# Altium PCB betrusted_dvt1b-dfm.PcbDoc (part 6 of 6)
Units mm, origin at the board's own origin, x right, y up, seen from the top; angles counter-clockwise.
Board outline 62.8 x 53.83 mm, 6 copper layers (L1, L2, L3, L6, L7, L8), stack 0.693 mm thick; 407 components, 299 nets, 1950 pads, 2038 vias.
Unrouted connection lines stored in the file: 1.
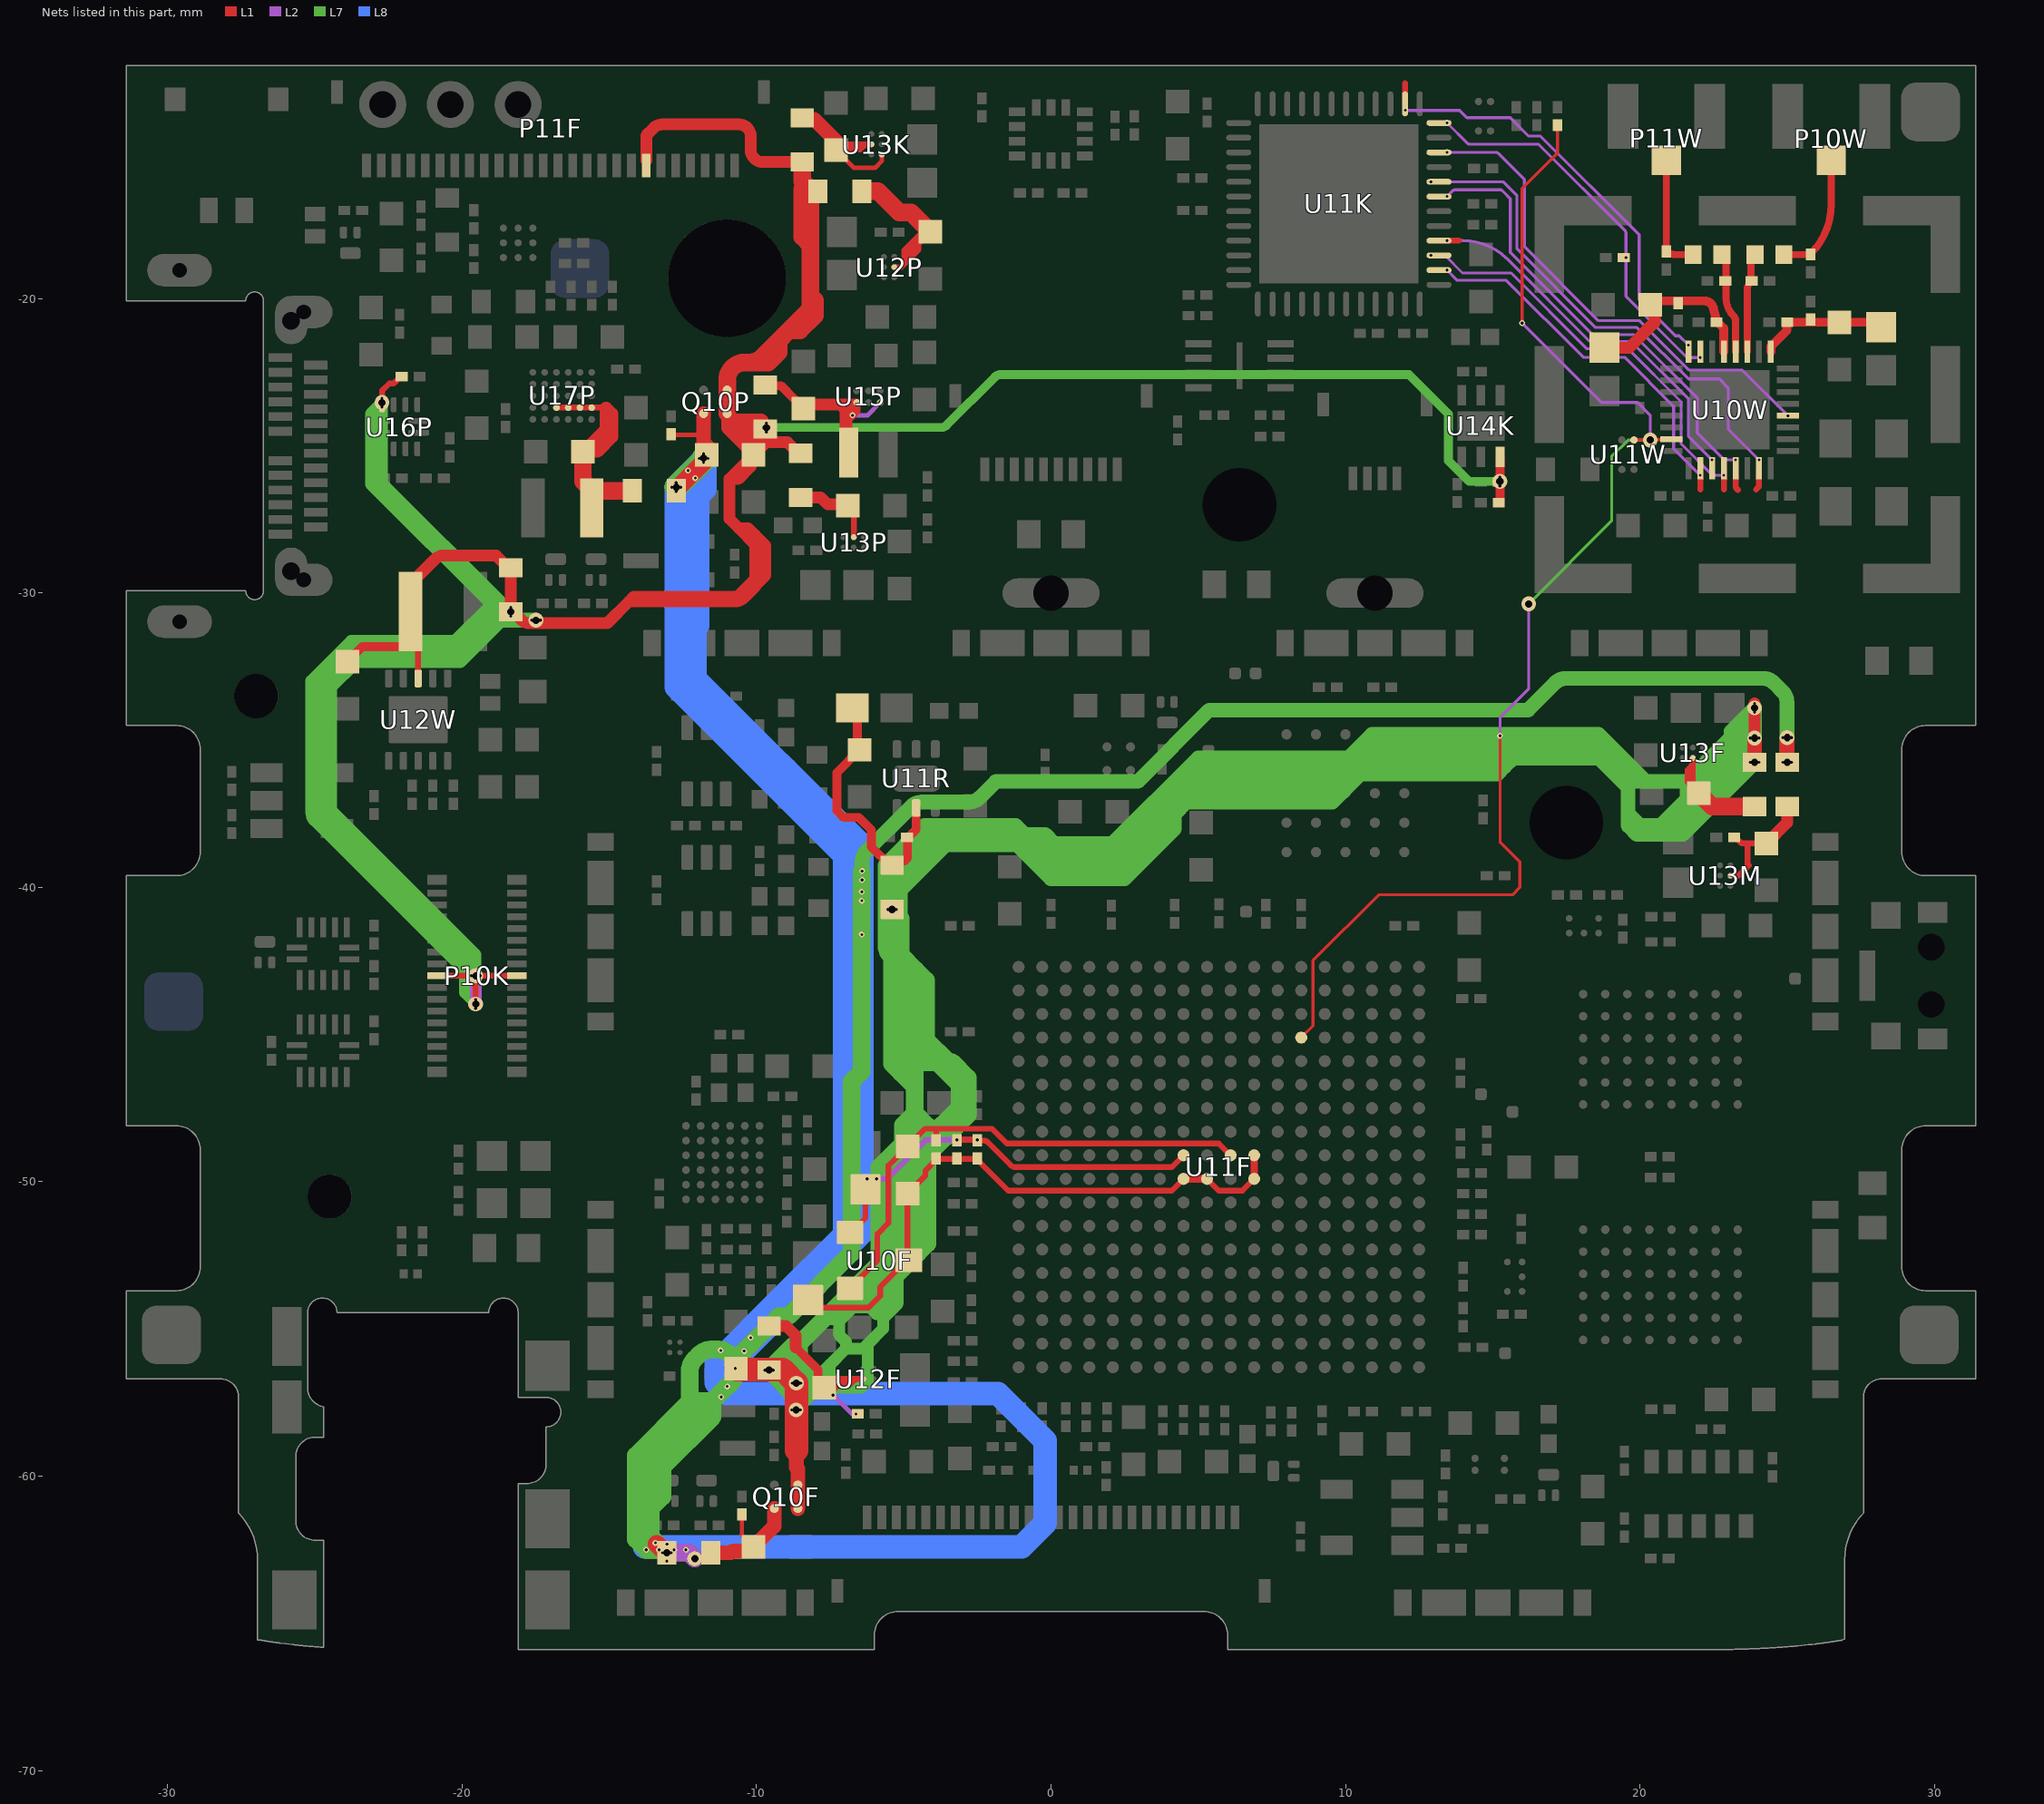
[diagram p10: the nets of this part, all layers, seen from the top]

## Via types
v1: diameter 0.2, hole 0.1, L1 to L2, tented both sides, 1324 vias
v2: diameter 0.5, hole 0.25, L2 to L7, tented both sides, 638 vias
v3: diameter 0.2, hole 0.1, L7 to L8, tented both sides, 44 vias
v4: diameter 0.5, hole 0.25, L1 to L8, 25 vias
v5: diameter 0.5, hole 0.2, L1 to L8, 4 vias
v6: diameter 0.4, hole 0.25, L1 to L8, 2 vias
v7: diameter 0.2, hole 0.1, L1 to L2, tented bottom, 1 vias

## Nets (pads, with @x,y where several pads share a name; then routed paths per layer and width w, separated by ;. In a path a pad name is that pad's centre, name@x,y a point inside that pad or via, vN(x,y) a via of type N, cw(c..) or ccw(c..) an arc to the next point about the centre after c; other vN are vias at no path point) (continued)
VSYS_RAW: C19M.1 C31P.1 C33P.1 C36F.1 J10F.1 J10M.1 J13P.1 L14P.2 Q10F.4 Q10P.4 R10F.2 R14M.1 R24P.2 U13M.B1 U17P.C2 U17P.D2 U17P.E2 U17P.F2 | length 209.2
  L1 w0.15: R24P.2@-12.9,-24.625 -11.879,-24.625 -11.8,-24.546 ; R10F.2@-10.5,-61.325 -10.5,-62 C36F.1@-10.1,-62.4
  L1 w0.2: U17P.C2@-16.8,-23.7 U17P.D2@-16.4,-23.7 U17P.E2@-16,-23.7 U17P.F2@-15.6,-23.7 -15.124,-23.7 ; U13M.B1@23.075,-39.6 23.35,-39.6 23.7,-39.25 23.663,-39.212 23.663,-38.5 ; R14M.1@23.225,-38.3 23.25,-38.3 23.45,-38.5 23.663,-38.5 ; C19M.1@24.3,-38.5 23.663,-38.5
  L1 w0.4: L14P.2@-15.6,-27.1 -15.6,-26.625 L14P.2@-15.6,-26.5 ; C19M.1@24.3,-38.5 25,-37.8 J10M.1@25,-37.25 ; C33P.1@-15.9,-25.2 -15.4,-25.2 -14.9,-24.7 -14.9,-23.9 -15.1,-23.7 -15.124,-23.7 -15.124,-24.424 C33P.1@-15.9,-25.2
  L1 w0.5: Q10P.4@-11.8,-23.9 -11.8,-24.546 -11.8,-24.9 C31P.1@-11.55,-25.15 ; J10F.1@-11.55,-62.6 -10.875,-62.6 -10.825,-62.55 -10.25,-62.55 C36F.1@-10.1,-62.4 -9.4,-61.7 Q10F.4@-9.4,-61.1 ; v2(25,-35.75) v2(25,-34.911)
  L1 w0.6: C33P.1@-15.9,-25.2 -15.9,-26.2 L14P.2@-15.6,-26.5 ; L14P.2@-15.6,-26.625 -15.5,-26.525 J13P.1@-14.225,-26.525 ; v1@-13.4,-62.3 -13.2,-62.5 -13.075,-62.5 -13.05,-62.525 v2(-13.05,-62.6) ; J13P.1@-12.725,-26.525 cw(c-12.182,-26.781) -12.607,-26.357 -11.866,-25.616 ccw(c-12.29,-25.192) C31P.1@-11.7,-25.301
  L2 w0.4: v1(-13.437,-62.267) v1@-13.383,-62.267 ; v2(-13.05,-62.6) v1@-13.383,-62.267 ; v1(-12.9,-62.6) -13.233,-62.267 v1@-13.383,-62.267
  L2 w0.6: v2(-13.05,-62.6) v1(-12.9,-62.6) -12.3,-62.6 v2(-12.1,-62.8)
  L7 w0.5: v3(-6.419,-39.745) v3(-6.419,-39.445) -6.419,-39.126 cw(c-5.919,-39.126) -6.272,-38.772 -4.746,-37.246 cw(c-4.393,-37.6) -4.393,-37.1 -2.782,-37.1 ccw(c-2.782,-36.6) -2.429,-36.954 -1.875,-36.4 2.95,-36.4 5.375,-33.975 16.2,-33.975 17.129,-33.046 cw(c17.482,-33.4) 17.482,-32.9 24.193,-32.9 cw(c24.193,-33.4) 24.547,-33.047 24.853,-33.353 cw(c24.5,-33.707) 25,-33.707 v2(25,-34.911) v2(25,-35.75)
  L7 w0.6: v2(-12.1,-62.8) -12.3,-62.6 v2(-13.05,-62.6) v2@-13.15,-62.5 ; v3@-6.425,-39.45 v3(-6.425,-40.15) v3(-6.425,-40.45) -6.425,-46.25 -6.775,-46.6 -6.775,-52.425 -8.925,-54.575 -9.25,-54.575 v3(-10.426,-55.751) -10.725,-56.05 ; -13.6,-61.1 -13.2,-60.7 -13.2,-59.7 -11.495,-57.995 -11.495,-57.445 ; -13.6,-61.1 -13.6,-59.55 -11.495,-57.445 ; -13.6,-61.1 -13.6,-62.05 v2@-13.15,-62.5 ; v2@-13.15,-62.5 v3(-13.749,-62.5) -14.1,-62.149 -14.1,-59.3 -12.275,-57.475 ; -12.275,-57.475 -12.275,-56.442 cw(c-11.675,-56.442) -12.099,-56.018 -11.957,-55.876 cw(c-11.533,-56.3) -11.533,-55.7 -11.324,-55.7 cw(c-11.324,-56.3) -10.899,-55.876 -10.725,-56.05 ; -12.275,-57.475 -12.245,-57.445 -11.495,-57.445 ; -11.495,-57.445 v3(-11,-56.95) ccw(c-11.325,-56.446) -10.725,-56.444 -10.725,-56.05
  L7 w0.8: v2(-12.731,-26.404) -11.801,-25.474 v2(-11.801,-25.417)
  L8 w0.8: -13.8,-62.4 -1,-62.4 -0.2,-61.6 -0.2,-58.8 -1.8,-57.2 -11,-57.2 ; -11,-57.2 -11.373,-56.827 -11.373,-56.164 -9.2,-53.991 ; -11,-57.2 -11,-56.3 -9.2,-54.5 ; -9.2,-54.5 -9.2,-53.991 ; -9.2,-54.5 -7.009,-52.309 ; -9.2,-53.991 -7.009,-51.8 ; -7.009,-52.309 -7.009,-51.8 ; -7.009,-52.309 -6.422,-51.722 v3@-6.422,-39.496 ; -7.009,-51.8 -7.009,-38.909 ; -7.009,-38.909 v3@-6.422,-39.496 ; -7.009,-38.909 -12.725,-33.193 -12.725,-26.375 -11.753,-25.403 -11.753,-26.453 -12,-26.7 -12,-31.1 -12.1,-31.2 -12.1,-32.9 -6.422,-38.578 v3@-6.422,-39.496
  other v1: -13.052,-62.889 -13.2,-62.6 -13.044,-62.31 24.85,-35.75 25.15,-35.75 24.85,-34.911 25.15,-34.911 -12.731,-26.554 -12.731,-26.254 -11.801,-25.567 -11.801,-25.267
  other v3: -13.315,-62.5 -12.8,-62.5 -12.4,-62.5 -11.201,-57.312 -10.725,-56.338 -11.218,-55.729 -10.2,-55.3 -6.425,-41.6 -12.88,-26.403 -12.58,-26.403 -12.082,-26.09 -12.328,-25.836 -11.95,-25.424 -11.65,-25.424
VSYS_T: C13R.1 C14F.1 C15F.1 C17F.1 C18R.2 J10R.1 J11F.1 J12F.1 L10R.1 Q10F.2 Q10F.3 R12F.2 U11R.2 U12F.B1 U13F.B1 | length 282.2
  L1 w0.2: C15F.1@-7.7,-57.175 -7.689,-57.164 cw(c-7.547,-57.305) -7.547,-57.105 -7.505,-57.105 ccw(c-7.505,-56.905) -7.363,-57.046 -7.226,-56.909 cw(c-7.084,-57.05) -7.085,-56.85 ; C15F.1@-7.7,-57 -7.4,-56.7 -7.225,-56.7 ; C15F.1@-7.5,-56.975 -7.225,-56.7 ; -7.084,-56.85 -6.783,-56.85 -6.633,-56.7 ; U12F.B1@-6.375,-56.7 -6.633,-56.7 ; U13F.B1@21.8,-35.6 21.8,-35.825 ; C17F.1@22,-36.8 C17F.1@21.8,-36.6 ; -7.225,-56.7 -6.633,-56.7 ; C17F.1@21.8,-36.6 21.625,-36.425 21.625,-36 21.8,-35.825 ; C17F.1@21.8,-36.6 21.8,-35.825
  L1 w0.3: -8.675,-55.625 -7.91,-56.39 -7.91,-56.79 C15F.1@-7.7,-57 ; L10R.1@-6.75,-33.9 -6.575,-34.075 C13R.1@-6.575,-35.325 ; C13R.1@-6.5,-35.325 -7.275,-36.1 -7.275,-37.4 -7.149,-37.526 -7.05,-37.625 -6.525,-37.625 -6.1,-38.05 -6.1,-38.625 -5.475,-39.25 J10R.1@-5.4,-39.25 -5.249,-39.099 -4.974,-39.099 -4.875,-39 -4.875,-38.3 -4.85,-38.3 -4.58,-38.03 U11R.2@-4.58,-37.3
  L1 w0.4: J11F.1@-9.575,-54.9 -9,-54.9 -8.675,-55.225 -8.675,-55.625 ; v2(23.9,-34.925) v1(23.9,-34.05) v1(23.9,-33.75)
  L1 w0.5: -8.65,-59.125 -8.65,-59.7 -8.6,-59.75 Q10F.2@-8.6,-60.3 Q10F.3@-8.6,-61.1 ; v2(23.9,-35.75) v2(23.9,-34.925)
  L1 w0.6: C17F.1@22,-36.8 22.45,-37.25 J12F.1@23.9,-37.25
  L1 w0.8: C14F.1@-10.7,-56.35 -10.675,-56.375 -9.119,-56.375 v2(-8.65,-56.844) -8.65,-59.125
  L2 w0.15: v1(-7.4,-57.25) -6.765,-57.885 v1(-6.624,-57.885)
  L7 w0.4: v2@-8.698,-56.796 v2@-8.662,-56.796 ; v2(-8.662,-57.751) -8.096,-57.184 ; -8.452,-56.074 -8.452,-56.088 -7.92,-56.62 ; -7.17,-54.57 -7.2,-54.6 -7.2,-55.2 -6.971,-55.429 -6.971,-55.671 ; -6.263,-54.163 -5.925,-54.5 -5.7,-54.5 ; -6.05,-53.95 -6.05,-54.15 -5.7,-54.5 ; -5.675,-53.575 -5.7,-53.6 -5.7,-54.5 ; v2@-8.662,-56.796 -8.096,-56.796 ; v2@-8.662,-56.796 -8.487,-56.62 -7.92,-56.62 ; -8.096,-57.184 -7.901,-56.99 ; -8.096,-57.184 -8.096,-56.796 ; -8.096,-56.796 -7.901,-56.99 ; -8.096,-56.796 -7.92,-56.62 ; -7.92,-56.62 -7.513,-56.213 ; -7.901,-56.99 -7.513,-56.601 ; -7.901,-56.99 -7.891,-57 -7.114,-57 ; -7.513,-56.601 -7.114,-57 ; -7.513,-56.601 -7.513,-56.213 ; -7.513,-56.213 -6.971,-55.671 ; -7.114,-57 -6.453,-57 -6.218,-56.766 -6.218,-55.508 ; -6.971,-55.671 -6.381,-55.671 -6.218,-55.508 ; -6.218,-55.508 -5.7,-54.99 -5.7,-54.5
  L7 w0.5: -5.572,-40.087 -5.572,-40.578 v2(-5.4,-40.75) -5.4,-40.3 -5.4,-39.875 -4.075,-38.55 ; -5.4,-42.427 -5.49,-42.337 cw(c-5.136,-41.984) -5.636,-41.984 -5.636,-39.736 ; -5.636,-39.736 -5.636,-39.236 -4.3,-37.9 -3.8,-37.9 ; -5.636,-39.736 -3.8,-37.9 ; -4.075,-38.55 -3.725,-38.2 ; -4.075,-38.55 -3.65,-38.55 -2.8,-38.55 ; -3.8,-37.9 -3.425,-37.9 ; -3.725,-38.2 -3.425,-37.9 ; -3.725,-38.2 -2.45,-38.2 ; -3.425,-37.9 -1.2,-37.9 -0.9,-38.2 ; -2.8,-38.55 -1.157,-38.55 ; -2.8,-38.55 -2.45,-38.2 ; -2.45,-38.2 -0.9,-38.2 ; -1.157,-38.55 -0.55,-38.55 0.25,-39.35 ; -1.157,-38.55 -0.007,-39.7 0.6,-39.7 ; -0.9,-38.2 -0.538,-38.2 ; -0.538,-38.2 -0.232,-38.506 ; -0.538,-38.2 -0.2,-38.2 0.106,-38.506 ; -0.232,-38.506 0.25,-38.988 0.25,-39.35 ; -0.232,-38.506 0.106,-38.506 ; 0.106,-38.506 2.094,-38.506 ; 0.106,-38.506 0.5,-38.9 1.7,-38.9 ; 0.25,-39.35 0.6,-39.7 ; 0.25,-39.35 1.7,-39.35 ; 0.6,-39.7 2.5,-39.7 2.85,-39.35 ; 1.7,-39.35 2.35,-39.35 ; 1.7,-39.35 1.7,-38.9 ; 1.7,-38.9 2.2,-38.9 2.594,-38.506 ; 1.7,-38.9 2.094,-38.506 ; 2.094,-38.506 2.594,-38.506 ; 2.094,-38.506 5,-35.6 5.5,-35.6 ; 2.35,-39.35 4.193,-37.507 ; 2.35,-39.35 2.85,-39.35 ; 2.594,-38.506 4.002,-37.098 ; 2.85,-39.35 4.193,-38.007 4.193,-37.507 ; 4.002,-37.098 4.6,-36.5 ; 4.002,-37.098 4.6,-37.098 4.6,-36.5 ; 4.193,-37.507 4.602,-37.098 ; 4.6,-36.5 5.5,-35.6 ; 4.602,-37.098 5.55,-36.15 ; 4.602,-37.098 5.102,-37.098 ; 5.102,-37.098 9.555,-37.098 10.03,-36.624 ; 5.102,-37.098 5.576,-36.624 ; 5.5,-35.6 6.1,-35.6 ; 5.55,-36.15 6.1,-35.6 ; 5.55,-36.15 6.05,-36.15 ; 5.576,-36.624 6.05,-36.15 ; 5.576,-36.624 10.03,-36.624 ; 6.05,-36.15 10.504,-36.15 ; 6.05,-36.15 6.3,-35.9 10.754,-35.9 ; 6.1,-35.6 10.101,-35.6 ; 10.03,-36.624 10.504,-36.15 ; 10.101,-35.6 10.6,-35.6 ; 10.101,-35.6 10.901,-34.8 11.4,-34.8 ; 10.504,-36.15 15.15,-36.15 15.4,-35.9 ; 10.504,-36.15 10.754,-35.9 ; 10.6,-35.6 11.054,-35.6 ; 10.6,-35.6 11,-35.2 ; 10.754,-35.9 15.4,-35.9 ; 10.754,-35.9 11.054,-35.6 ; 11,-35.2 11.4,-34.8 ; 11,-35.2 16.1,-35.2 ; 11.054,-35.6 15.7,-35.6 ; 11.4,-34.8 18.6,-34.8 19,-35.2 ; 15.4,-35.9 15.7,-35.6 ; 15.7,-35.6 18.6,-35.6 ; 15.7,-35.6 16.1,-35.2 ; 16.1,-35.2 18.2,-35.2 ; 18.2,-35.2 18.625,-35.2 ; 18.2,-35.2 18.6,-35.6 ; 18.6,-35.6 19.025,-35.6 ; 18.6,-35.6 19.6,-36.6 19.6,-37.5 ; 18.625,-35.2 19,-35.2 ; 18.625,-35.2 19.025,-35.6 ; 19,-35.2 20.2,-36.4 ; 19.025,-35.6 19.825,-36.4 20.2,-36.4 ; 19.6,-37.5 19.6,-37.9 19.9,-38.2 21.038,-38.2 ; 19.6,-37.5 20,-37.9 20.7,-37.9 21.297,-37.303 ; 20.2,-36.4 21.6,-36.4 ; 21.038,-38.2 21.45,-38.2 23.25,-36.4 ; 21.038,-38.2 21.935,-37.303 ; 21.297,-37.303 21.6,-37 ; 21.297,-37.303 21.935,-37.303 ; 21.6,-37 21.825,-37 22.425,-36.4 ; 21.6,-37 21.6,-36.4 ; 21.6,-36.4 22.425,-36.4 ; 21.6,-36.4 22,-36 ; 21.935,-37.303 22.838,-36.4 ; 22,-36 23.1,-34.9 ; 22,-36 22.5,-36 ; 22.425,-36.4 22.838,-36.4 ; 22.5,-36 23,-36 23.5,-35.5 23.5,-35.325 ; 22.5,-36 23.1,-35.4 23.1,-34.9 ; 22.838,-36.4 23.25,-36.4 ; 23.1,-34.9 23.5,-34.5 ; 23.1,-34.9 23.1,-34.7 23.5,-34.3 ; 23.25,-36.4 v2(23.9,-35.75) v2(23.9,-34.925) ; 23.5,-35.325 23.5,-34.5 ; 23.5,-35.325 v2(23.9,-34.925) ; 23.5,-34.5 23.5,-34.3 ; 23.5,-34.3 v2(23.9,-33.9) v2(23.9,-34.925)
  L7 w0.6: v2(-8.662,-57.751) -8.662,-57.313 v2(-9.575,-56.4) ; v2(-8.65,-56.844) -8.662,-56.831 v2@-8.698,-56.796 ; -5.7,-54.5 -5.3,-54.1 -5.3,-53.2 ; -5.7,-53.6 -6.05,-53.95 -6.263,-54.163 -6.763,-54.163 ; -5.675,-53.575 -5.3,-53.2 ; -5.4,-40.3 -5.162,-40.062 ; -5.162,-41.125 -5.162,-40.988 ; -3.65,-38.55 -5.162,-40.062 ; v2(-9.575,-56.4) -9.378,-56.4 -9.094,-56.4 ; v2(-9.575,-56.4) -9.219,-56.044 -9.094,-56.044 -9.094,-56.4 ; -9.094,-56.4 v2@-8.698,-56.796 ; v2@-8.698,-56.796 -8.698,-55.648 -7.62,-54.57 ; -7.62,-54.57 -5.825,-52.775 ; -7.62,-54.57 -7.17,-54.57 -6.763,-54.163 ; -6.763,-54.163 -5.3,-52.7 ; -5.825,-52.775 -5.3,-52.25 ; -5.825,-52.775 -5.825,-50.25 ; -5.825,-50.25 -5.825,-49.5 -5.025,-48.7 ; -5.825,-50.25 -5.225,-49.65 ; -5.4,-42.9 -5.4,-42.427 v2(-5.4,-40.75) -5.162,-40.988 ; -5.4,-42.9 -5.4,-45.991 -5.1,-46.291 ; -5.4,-42.9 -5.1,-43.2 ; -5.3,-53.2 -4.75,-52.65 ; -5.3,-53.2 -5.3,-52.7 ; -5.3,-52.7 -5.3,-52.25 ; -5.3,-52.25 -5.3,-50.2 -4.75,-49.65 ; -5.225,-49.65 -4.625,-49.05 -4.625,-48.4 ; -5.225,-49.65 -5.225,-49.3 -5.025,-49.1 -5.025,-48.7 ; -5.162,-40.988 -5.162,-40.062 ; -5.162,-40.988 -5.1,-41.05 -5.1,-42.3 ; -5.1,-46.291 -4.625,-46.766 ; -5.1,-46.291 -5.1,-43.2 ; -5.1,-43.2 -5.1,-42.3 ; -5.1,-43.2 -4.625,-43.675 ; -5.1,-42.3 -4.6,-42.8 ; -5.025,-48.7 -4.725,-48.4 -4.625,-48.4 ; -5.025,-48.7 -5.025,-48.075 -4.625,-47.675 ; -4.75,-52.65 -4.2,-52.1 -4.2,-49.1 ; -4.75,-52.65 -4.75,-49.65 ; -4.75,-49.65 -4.2,-49.1 ; -4.625,-48.4 -4.625,-47.675 ; -4.625,-47.675 -4.625,-46.766 ; -4.625,-47.675 -4.2,-48.1 -4.2,-48.568 ; -4.625,-46.766 -4.625,-45.971 ; -4.625,-45.971 -4.625,-45.175 ; -4.625,-45.971 -4.592,-45.938 -3.862,-45.938 ; -4.625,-45.175 -4.625,-44.8 ; -4.625,-45.175 -4.244,-45.556 ; -4.625,-44.8 -4.625,-43.675 ; -4.625,-44.8 -4.244,-45.181 ; -4.625,-43.675 -4.6,-43.65 -4.6,-42.8 ; -4.6,-42.8 -4.244,-43.156 -4.244,-45.181 ; -4.244,-45.556 -4.244,-45.181 ; -4.244,-45.556 -3.862,-45.938 ; -4.244,-45.181 -3.487,-45.938 ; -4.2,-49.1 -3.1,-48 ; -4.2,-49.1 -4.2,-48.568 ; -4.2,-48.568 -3.1,-47.468 ; -3.862,-45.938 -3.487,-45.938 ; -3.862,-45.938 -3.1,-46.7 -3.1,-47.468 ; -3.487,-45.938 -3.362,-45.938 -2.834,-46.466 -2.834,-47.734 -3.1,-48 ; -3.1,-48 -3.1,-47.468
  L7 w0.8: v2@-9.378,-56.46 -9.378,-56.4 -9.378,-56.328 -9.27,-56.22 ; -9.27,-56.25 -9.27,-56.22 ; -8.698,-55.648 -9.094,-56.044 -9.27,-56.22 ; -8.662,-57.313 -8.662,-56.831 -8.662,-56.796 -8.662,-55.684
  other v1: -8.812,-57.751 -8.512,-57.751 -8.8,-56.844 -8.5,-56.844 -9.725,-56.4 -9.425,-56.4 -5.55,-40.75 -5.25,-40.75 23.75,-35.75 24.05,-35.75 23.75,-34.925 24.05,-34.925
VSYS_U: C19P.1 C21K.1 C23P.1 C24K.1 C25P.1 C27W.1 C30P.1 C36P.1 J10K.1 J10W.1 J12P.1 J14P.1 J15P.1 L13P.1 L14W.1 P10K.8 P10K.23 P11F.20 Q10P.2 Q10P.3 R17K.1 U12P.B1 U12W.8 U13K.B1 U13K.C2 U13P.B1 U14K.6 U15P.A1 U15P.C1 U16P.12 | length 207.7
  L1 w0.15: C21K.1@-7.3,-14.95 -6.7,-15.55 -5.975,-15.55 -5.75,-15.325 U13K.C2@-5.75,-15.1
  L1 w0.2: U16P.12@-22.725,-23.6 v1(-22.725,-23.376) -22.725,-23.125 -22.475,-22.875 -22.325,-22.875 -22.1,-22.65 C36P.1@-22.075,-22.65 ; L14W.1@-21.975,-31.7 -21.75,-31.475 L14W.1@-21.75,-30.625 -21.496,-30.879 U12W.8@-21.496,-32.9 ; P10K.23@-20.855,-43 v1(-19.692,-43) v2(-19.542,-43) ; v1(-19.542,-44.108) v1(-19.542,-43.808) v2(-19.542,-43) ; P10K.8@-18.145,-43 v1(-19.392,-43) v2(-19.542,-43) ; C21K.1@-7.3,-14.95 C21K.1@-7.275,-14.925 ; C23P.1@-6.9,-27.025 -6.7,-27.225 U13P.B1@-6.7,-28.1 ; U13K.B1@-6.1,-14.75 -6.302,-14.75 ; U12P.B1@-5.325,-18.925 -5.1,-18.925 -4.98,-18.805 ; C19P.1@-4.42,-17.809 -4.434,-17.809 -4.98,-18.355 -4.98,-18.58 ; C19P.1@-4.1,-17.725 -4.5,-18.125 ; C24K.1@15.238,-26.213 C24K.1@15.25,-26.2 ; C21K.1@-7.275,-14.925 -7.1,-14.75 -6.302,-14.75 ; C21K.1@-7.275,-14.925 -6.477,-14.925 -6.302,-14.75 ; -4.98,-18.805 -4.5,-18.325 -4.5,-18.125 ; -4.98,-18.805 -4.98,-18.58 ; -4.98,-18.58 -4.708,-18.308 -4.683,-18.308 -4.5,-18.125
  L1 w0.25: -7.512,-23.525 -8.425,-23.525 -8.5,-23.6 -8.425,-23.675 -7.362,-23.675 ; -7.512,-23.525 U15P.A1@-6.6,-23.525 -6.6,-23.675 ; -7.512,-23.525 -7.362,-23.675 ; -7.362,-23.675 -7.187,-23.675 ; -7.187,-23.675 -7.042,-23.82 ; -7.187,-23.675 -6.7,-23.675 ; -7.05,-24.275 -7.05,-23.829 -7.042,-23.82 ; -7.05,-24.275 -7.05,-25.05 L13P.1@-6.875,-25.225 -6.875,-24.1 ; -7.05,-24.275 -6.875,-24.1 ; -7.042,-23.82 -6.896,-23.965 ; -6.896,-23.965 -6.896,-23.871 -6.7,-23.675 ; -6.896,-23.965 -6.875,-23.987 -6.875,-24.1 ; -6.896,-23.965 -6.896,-24.079 -6.875,-24.1 ; -6.875,-24.1 v1(-6.737,-23.963) -6.6,-23.825 -6.6,-23.675 ; -6.7,-23.675 -6.6,-23.675
  L1 w0.3: C27W.1@-23.9,-32.325 -23.395,-31.82 -22,-31.82 -21.975,-31.795 L14W.1@-21.975,-31.7 ; J15P.1@-9.6,-22.95 -9.174,-22.95 C30P.1@-8.685,-23.439 ; R17K.1@15.225,-26.925 15.24,-26.925 15.25,-26.915 15.25,-26.2 U14K.6@15.25,-25.375
  L1 w0.4: L14W.1@-21.75,-30.625 -21.75,-29.675 L14W.1@-21.55,-29.475 ; L14W.1@-21.549,-29.474 -20.917,-28.842 cw(c-20.634,-29.125) -20.636,-28.725 -20.634,-28.725 -18.85,-28.725 -18.35,-29.225 v1(-18.35,-30.488) -18.35,-30.55 -17.992,-30.908 -17.991,-30.909 ccw(c-17.709,-30.625) -17.709,-31.025 -15.075,-31.025 -14.328,-30.278 ; P11F.20@-13.75,-15.3 -13.75,-14.45 -13.492,-14.192 cw(c-13.209,-14.475) -13.209,-14.075 -10.6,-14.075 -10.599,-14.075 cw(c-10.6,-14.475) -10.2,-14.475 -10.2,-14.95 ccw(c-9.8,-14.95) -9.8,-15.35 J10K.1@-8.45,-15.35 ; -10.775,-24.325 -10.7,-24.325 -10.125,-24.9 C25P.1@-9.7,-24.9 ; J15P.1@-9.725,-24.275 -9.725,-24.273 -9.731,-24.255 ccw(c-10.111,-24.38) -9.829,-24.096 -10.504,-24.096 ; J15P.1@-9.7,-24.255 J15P.1@-9.7,-24.425 C25P.1@-9.7,-24.9 ; J14P.1@-8.5,-26.75 -7.82,-26.75 -7.58,-26.99 -6.935,-26.99 C23P.1@-6.9,-27.025 ; J14P.1@-8.5,-25.25 -8.575,-25.25 -8.95,-24.875 -9.675,-24.875 C25P.1@-9.7,-24.9 ; C21K.1@-7.375,-15.025 C21K.1@-7.3,-14.95 ; C19P.1@-4.1,-17.725 C19P.1@-4.075,-17.75 ; -14.328,-30.278 -14.181,-30.131 -10.657,-30.131 -10.05,-29.524 ; -14.328,-30.278 -13.763,-30.278 -10.718,-30.278 ccw(c-10.718,-29.878) -10.435,-30.16 -10.05,-29.775 -10.05,-29.75 ; -10.925,-26.125 C25P.1@-10.2,-25.4 ; -10.925,-26.125 -10.625,-26.125 -10.2,-25.7 C25P.1@-10.2,-25.4 ; -10.925,-26.125 -10.925,-27.475 -10.6,-27.8 ; -10.6,-27.8 -10.05,-28.35 ; -10.6,-27.8 -10.284,-27.8 -10.05,-28.034 ; -10.504,-24.096 C25P.1@-9.7,-24.9 ; -10.504,-24.096 -10.804,-24.096 Q10P.3@-11,-23.9 -11,-24.4 C25P.1@-10.1,-25.3 ; C25P.1@-10.2,-25.4 C25P.1@-10.1,-25.3 ; C25P.1@-10.1,-25.3 C25P.1@-9.7,-24.9 ; -10.05,-29.75 -10.05,-29.524 ; -10.05,-29.75 -9.7,-29.4 -9.7,-28.7 ; -10.05,-29.524 -10.05,-28.35 ; -10.05,-28.35 -10.05,-28.034 ; -10.05,-28.35 -9.7,-28.7 ; -10.05,-28.034 -9.7,-28.384 -9.7,-28.7
  L1 w0.5: -8.05,-13.9 -7.3,-14.65 C21K.1@-7.3,-14.95
  L1 w0.6: Q10P.3@-11,-23.9 Q10P.2@-11,-23.1 -11,-22.762 cw(c-10.4,-22.762) -10.4,-22.162 -10.236,-22.162 ; -8.45,-16.275 -8.45,-17.9 -8.175,-18.175 ; J10K.1@-8.45,-15.35 -8.45,-16 -8.175,-16.275 -8.175,-18.175 ; J12P.1@-6.425,-16.35 -5.875,-16.35 -5.15,-17.075 -4.75,-17.075 C19P.1@-4.1,-17.725 ; -10.236,-22.162 ccw(c-10.236,-21.562) -9.811,-21.986 -9.25,-21.425 ; -10.236,-22.162 -9.601,-22.162 -9.25,-21.811 -9.25,-21.425 ; -9.25,-21.425 -8.9,-21.075 ; -8.9,-21.075 -8.175,-20.35 -8.175,-19.9 ; -8.9,-21.075 -8.526,-21.075 -8.012,-20.56 -8.012,-20.063 -8.175,-19.9 ; -8.175,-19.9 -8.175,-18.175
  L2 w0.15: v1(-6.737,-23.963) -6.238,-23.963 v1(-5.8,-23.525)
  L2 w0.4: v2(-19.542,-43.958) v1(-19.542,-43.808) v2(-19.542,-43)